# Altium PCB pcb-ash-power.PcbDoc (part 2 of 6)
Units mm, origin at the board's own origin, x right, y up, seen from the top; angles counter-clockwise.
Board outline 140 x 87 mm, 4 copper layers (Top Layer, VCC, GND, Bottom Layer), stack 1.641 mm thick; 589 components, 453 nets, 2323 pads, 1205 vias.
Unrouted connection lines stored in the file: 345.
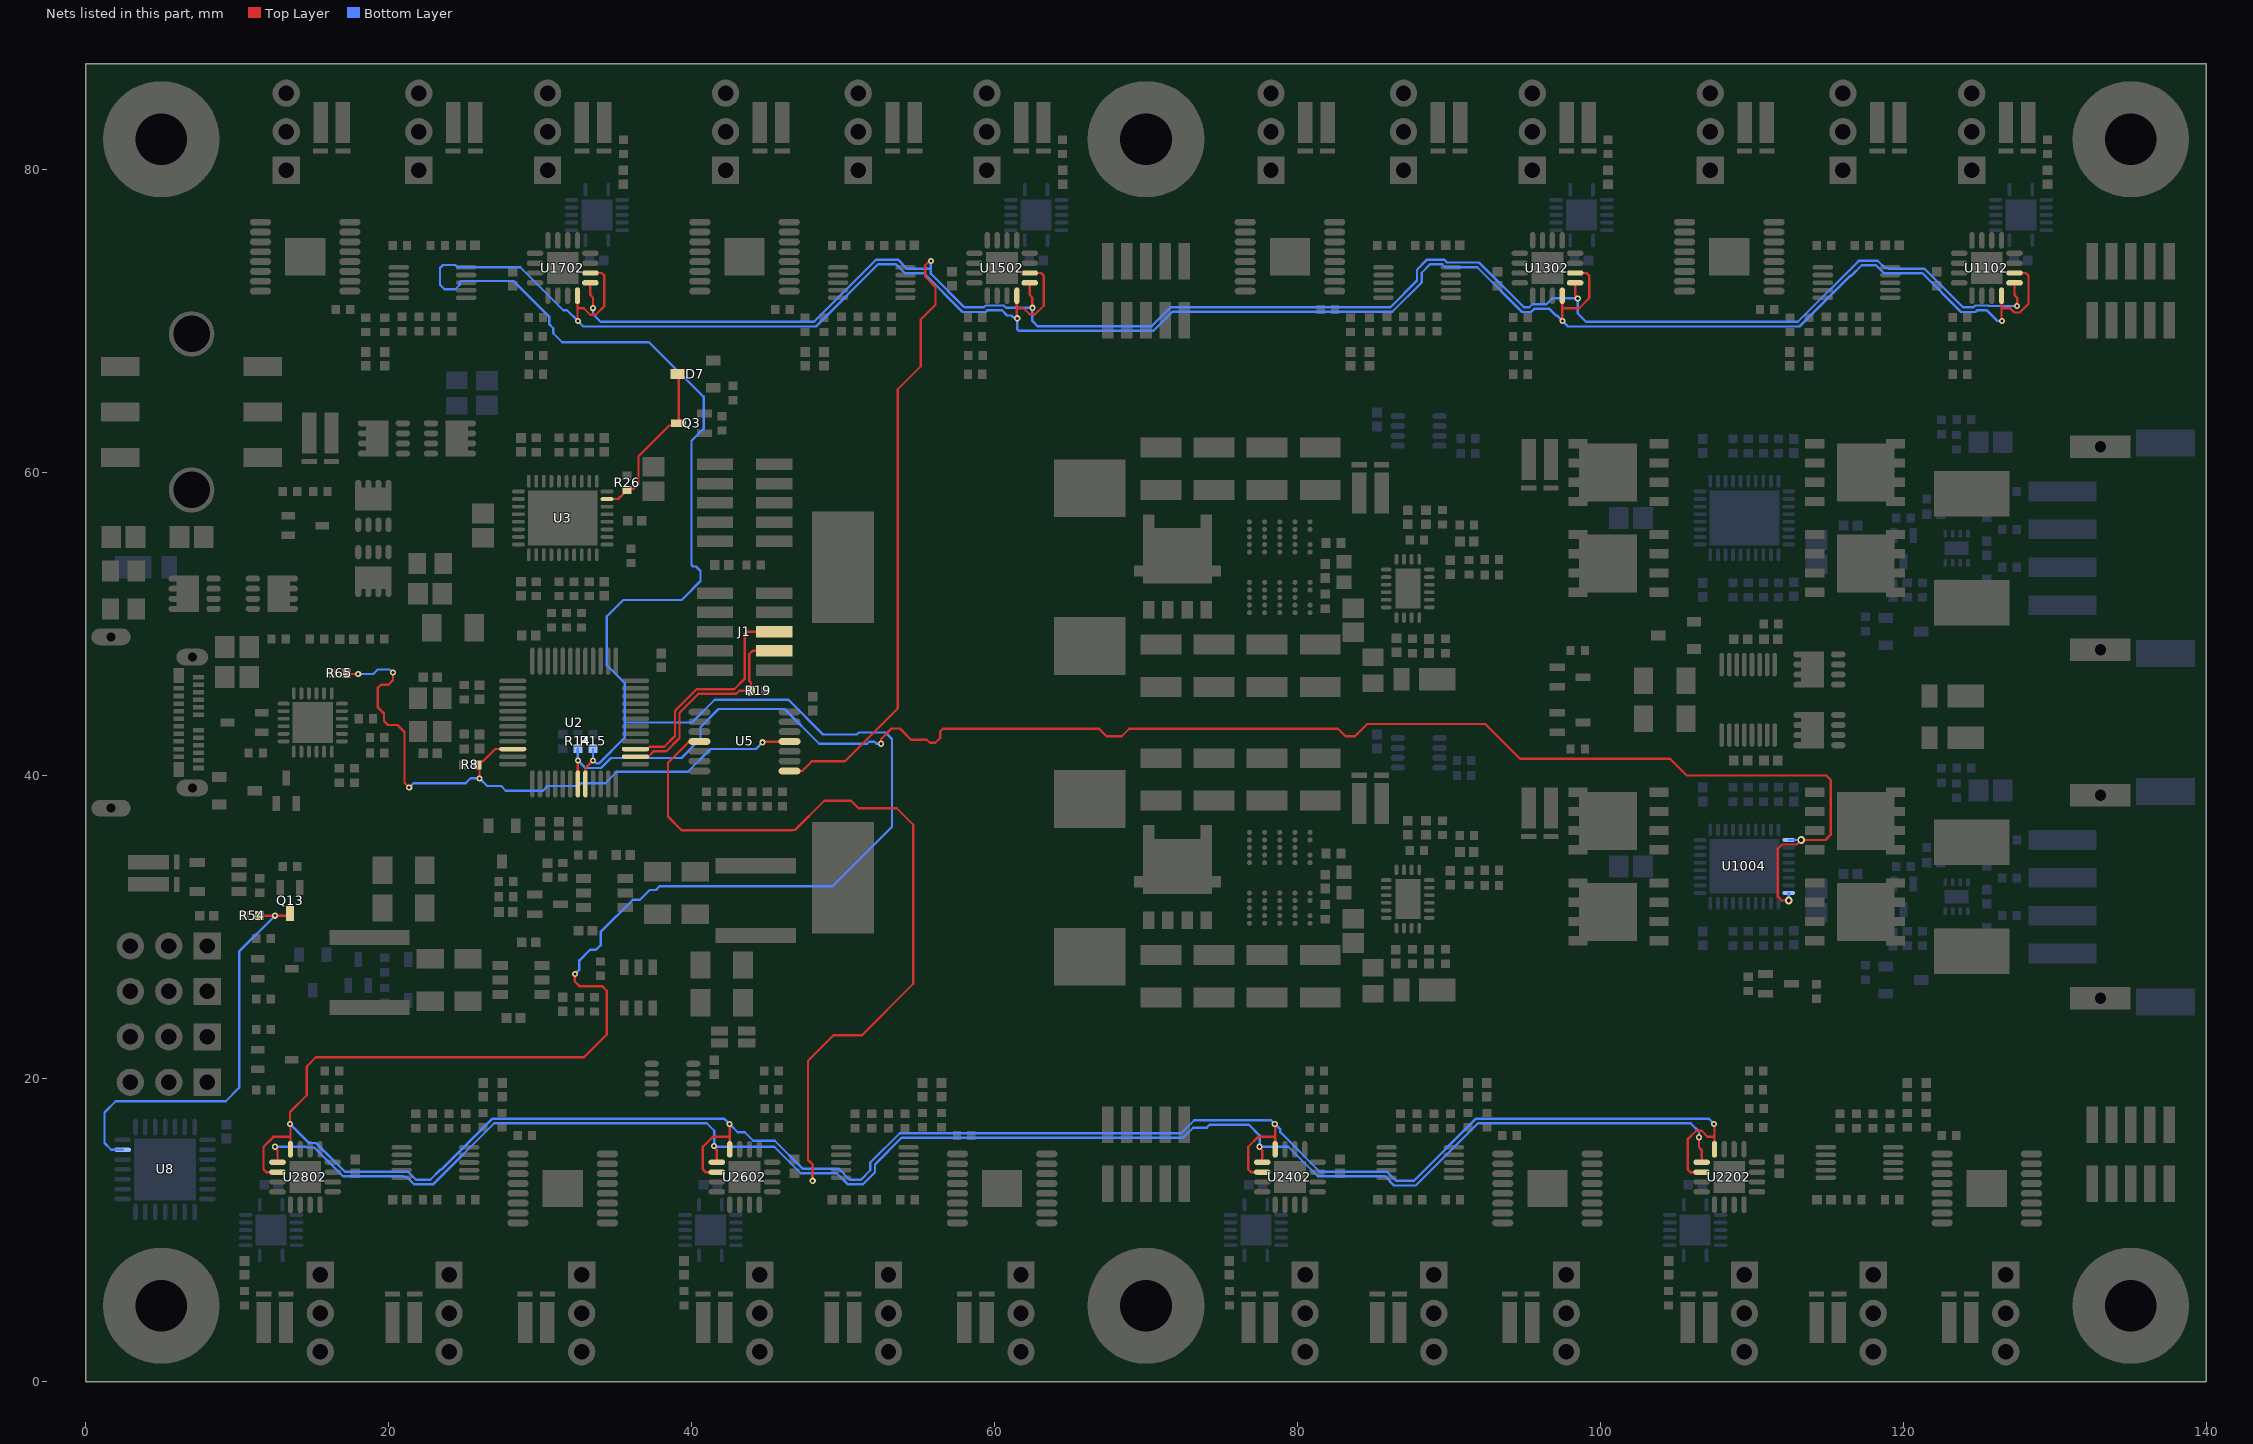
[diagram p4: the nets of this part, all layers, seen from the top]

## Components (designator, comment, footprint, x,y, rotation, side; value= is the part's Value field where it differs from the comment) (continued)
R1709 "res_4t" 4T_RESC1632X05N 25,82.75 r180 top value=0R01 (schematic designator R71)
R1710 "res" RESC1005X04N 29.725,66.49 r180 top value=100K (schematic designator R72)
R1711 "res_4t" 4T_RESC1632X05N 16.25,82.75 r180 top value=0R01 (schematic designator R73)
R2000 "res" RESC1005X04N 91.25,62.25 r0 bottom value=0R (schematic designator R10)
R2001 "res" RESC1005X04N 91.25,61.25 r180 bottom value=100K (schematic designator R11)
R2018 "res_4t" 4T_RESC1632X05N 84.815,59 r0 top value=0R01 (schematic designator R108)
R2019 "res" RESC2012X06N 84.98,46.95 r270 top value=10R (schematic designator R109)
R2020 "res" RESC1005X04N 87.58,48.55 r270 top value=0R (schematic designator R110)
R2021 "res" RESC1005X04N 87.88,55.55 r180 top value=10K (schematic designator R111)
R2022 "res" RESC1005X04N 89.78,48.55 r90 top value=10K (schematic designator R112)
R2023 "res" RESC1005X04N 91.18,56.55 r0 top value=10K (schematic designator R113)
R2024 "res" RESC1005X04N 92.83,54.25 r0 top value=1K2 (schematic designator R114)
R2025 "res" RESC1005X04N 91.33,53.75 r90 top value=12K (schematic designator R115)
R2026 "res" RESC1005X04N 92.83,53.25 r0 top value=0R (schematic designator R116)
R2027 "res" RESC1005X04N 89.58,57.05 r270 top value=10K (schematic designator R117)
R2028 "res_4t" 4T_RESC1632X05N 96,60.5 r180 top value=1m5 (schematic designator R39)
R2029 "res" RESC1005X04N 122,58.25 r180 bottom value=100R (schematic designator R40)
R2030 "res" RESC1005X04N 123.5,62 r270 bottom value=1R21 (schematic designator R41)
R2031 "res" RESC1005X04N 108.75,61.75 r90 bottom value=920K (schematic designator R42)
R2032 "res" RESC1005X04N 109.75,61.75 r90 bottom value=5K49 (schematic designator R43)
R2033 "res" RESC1005X04N 127,58.75 r180 bottom value=1K (schematic designator R44)
R2034 "res" RESC1005X04N 110.75,61.75 r270 bottom value=31K6 (schematic designator R45)
R2035 "res" RESC1005X04N 127,56.25 r180 bottom value=1K (schematic designator R46)
R2036 "res" RESC1005X04N 121.25,52.25 r90 bottom value=0R (schematic designator R47)
R2037 "res" RESC1005X04N 111.75,61.75 r270 bottom value=39K7 (schematic designator R48)
R2038 "res" RESC1005X04N 127,53.75 r180 bottom value=1K (schematic designator R49)
R2039 "res" RESC1005X04N 120.25,52.25 r270 bottom value=100K (schematic designator R50)
R2040 "res" RESC1005X04N 120,57 r180 bottom value=1M (schematic designator R51)
R2041 "res" RESC1005X04N 119.3,52.2 r90 bottom value=1M (schematic designator R52)
R2042 "res" RESC1005X04N 125.5,50.75 r270 bottom value=10R (schematic designator R53)
R2045 "res" RESC1005X04N 108.75,52.25 r270 bottom value=920K (schematic designator R56)
R2046 "res" RESC1005X04N 109.75,52.25 r270 bottom value=5K49 (schematic designator R57)
R2047 "res" RESC1005X04N 117.5,50 r270 bottom value=10K (schematic designator R58)
R2048 "res" RESC1005X04N 110.75,52.25 r90 bottom value=31K6 (schematic designator R59)
R2050 "res" RESC1005X04N 111.75,52.25 r90 bottom value=39K7 (schematic designator R61)
R2200 "res" RESC1005X04N 104.5,5.5 r90 top value=10K (schematic designator R62)
R2201 "res" RESC1005X04N 119.25,12 r0 top value=10K (schematic designator R63)
R2202 "res" RESC1005X04N 123,16.25 r0 top value=10K (schematic designator R64)
R2203 "res" RESC1005X04N 116.75,12 r0 top value=10K (schematic designator R65)
R2204 "res" RESC1005X04N 121.5,17.25 r270 top value=10K (schematic designator R66)
R2205 "res" RESC1005X04N 120.25,17.25 r270 top value=10K (schematic designator R67)
R2206 "res" RESC1005X04N 119.1,17.2 r270 top value=100K (schematic designator R68)
R2207 "res" RESC1005X04N 115.8,17.2 r270 top value=100K (schematic designator R69)
R2208 "res_4t" 4T_RESC1632X05N 106.5,4.25 r0 top value=0R01 (schematic designator R70)
R2209 "res_4t" 4T_RESC1632X05N 115,4.25 r0 top value=0R01 (schematic designator R71)
R2210 "res" RESC1005X04N 110.275,20.51 r0 top value=100K (schematic designator R72)
R2211 "res_4t" 4T_RESC1632X05N 123.75,4.25 r0 top value=0R01 (schematic designator R73)
R2400 "res" RESC1005X04N 75.5,5.5 r90 top value=10K (schematic designator R62)
R2401 "res" RESC1005X04N 90.25,12 r0 top value=10K (schematic designator R63)
R2402 "res" RESC1005X04N 94,16.25 r0 top value=10K (schematic designator R64)
R2403 "res" RESC1005X04N 87.75,12 r0 top value=10K (schematic designator R65)
R2404 "res" RESC1005X04N 92.5,17.25 r270 top value=10K (schematic designator R66)
R2405 "res" RESC1005X04N 91.25,17.25 r270 top value=10K (schematic designator R67)
R2406 "res" RESC1005X04N 90.1,17.2 r270 top value=100K (schematic designator R68)
R2407 "res" RESC1005X04N 86.8,17.2 r270 top value=100K (schematic designator R69)
R2408 "res_4t" 4T_RESC1632X05N 77.5,4.25 r0 top value=0R01 (schematic designator R70)
R2409 "res_4t" 4T_RESC1632X05N 86,4.25 r0 top value=0R01 (schematic designator R71)
R2410 "res" RESC1005X04N 81.275,20.51 r0 top value=100K (schematic designator R72)
R2411 "res_4t" 4T_RESC1632X05N 94.75,4.25 r0 top value=0R01 (schematic designator R73)
R2600 "res" RESC1005X04N 39.5,5.5 r90 top value=10K (schematic designator R62)
R2601 "res" RESC1005X04N 54.25,12 r0 top value=10K (schematic designator R63)
R2602 "res" RESC1005X04N 58,16.25 r0 top value=10K (schematic designator R64)
R2603 "res" RESC1005X04N 51.75,12 r0 top value=10K (schematic designator R65)
R2604 "res" RESC1005X04N 56.5,17.25 r270 top value=10K (schematic designator R66)
R2605 "res" RESC1005X04N 55.25,17.25 r270 top value=10K (schematic designator R67)
R2606 "res" RESC1005X04N 54.1,17.2 r270 top value=100K (schematic designator R68)
R2607 "res" RESC1005X04N 50.8,17.2 r270 top value=100K (schematic designator R69)
R2608 "res_4t" 4T_RESC1632X05N 41.5,4.25 r0 top value=0R01 (schematic designator R70)
R2609 "res_4t" 4T_RESC1632X05N 50,4.25 r0 top value=0R01 (schematic designator R71)
R2610 "res" RESC1005X04N 45.275,20.51 r0 top value=100K (schematic designator R72)
R2611 "res_4t" 4T_RESC1632X05N 58.75,4.25 r0 top value=0R01 (schematic designator R73)
R2800 "res" RESC1005X04N 10.5,5.5 r90 top value=10K (schematic designator R62)
R2801 "res" RESC1005X04N 25.25,12 r0 top value=10K (schematic designator R63)
R2802 "res" RESC1005X04N 29,16.25 r0 top value=10K (schematic designator R64)
R2803 "res" RESC1005X04N 22.75,12 r0 top value=10K (schematic designator R65)
R2804 "res" RESC1005X04N 27.5,17.25 r270 top value=10K (schematic designator R66)
R2805 "res" RESC1005X04N 26.25,17.25 r270 top value=10K (schematic designator R67)
R2806 "res" RESC1005X04N 25.1,17.2 r270 top value=100K (schematic designator R68)
R2807 "res" RESC1005X04N 21.8,17.2 r270 top value=100K (schematic designator R69)
R2808 "res_4t" 4T_RESC1632X05N 12.5,4.25 r0 top value=0R01 (schematic designator R70)
R2809 "res_4t" 4T_RESC1632X05N 21,4.25 r0 top value=0R01 (schematic designator R71)
R2810 "res" RESC1005X04N 16.275,20.51 r180 top value=100K (schematic designator R72)
R2811 "res_4t" 4T_RESC1632X05N 29.75,4.25 r0 top value=0R01 (schematic designator R73)
U1 "tps56120x" SOT95P280X110-6N 34.25,32.25 r180 top
U2 "STM32F103C8T6" STM-LQFP48_N 32.25,43.5 r0 top (schematic designator U3)
U3 "ltc4421xuhe" QFN50P500X600X80_HS-37N_LTC4421 31.5,57 r90 top (schematic designator U10)
U4 "LTC4370xMS" TSSOP50P510X110-16N_ltc4421 109.75,45 r270 top (schematic designator U11)
U5 "tca9543a" TSOP65P640X120-14N_PCA9543A 43.5,42.25 r0 top (schematic designator U9)
U6 "INA180A1" SOT95P280X145-5N 8.75,33.3 r180 top (schematic designator U15)
U7 "tps56120x" SOT95P280X110-6N 28.75,26.5 r0 top (schematic designator U16)
U8 "pca9685bs" QFN65P600X600X100_HS-29N_PCA9685BS 5.25,14 r180 bottom (schematic designator U17)
U9 "STUSB4500" QFN50P400X400X100_HS-25N-STUSB4500 15,43.5 r0 top (schematic designator U12)
U10 "ina219aidcnx" TSOP65P280X145-8N 38.75,20 r180 top (schematic designator U13)
U1000 "ina219aidcnx" TSOP65P280X145-8N 88,41.5 r0 bottom (schematic designator U2)
U1002 "ltc7800" QFN50P300X400X80_HS-21N_LTC7800 87.28,31.85 r180 top (schematic designator U14)
U1003 "bq2961xx" SON50P200X80_HS-9N-BQ2960XX#1 123.5,32 r270 bottom (schematic designator U4)
U1004 "ltc4421xuhe" QFN50P500X600X80_HS-37N_LTC4421 109.5,34 r270 bottom (schematic designator U5)
U1100 "TPS1HB08A-Q1" TSOP65P640X120_HS-17N_TPS1HB08 108.5,74.25 r180 top (schematic designator U6)
U1101 "pca9633dp2" TSSOP50P490X110-10N_PCA9633DP2 116.9,72.54 r0 top (schematic designator U7)
U1102 "ina3221" QFN65P400X400X100_HS-17N_INA3221 125.5,73.5 r0 top (schematic designator U8)
U1103 "74LV4T125A" QFN50P350X350X100_HS-15N 127.75,77 r0 bottom (schematic designator U18)
U1300 "TPS1HB08A-Q1" TSOP65P640X120_HS-17N_TPS1HB08 79.5,74.25 r180 top (schematic designator U6)
U1301 "pca9633dp2" TSSOP50P490X110-10N_PCA9633DP2 87.9,72.54 r0 top (schematic designator U7)
U1302 "ina3221" QFN65P400X400X100_HS-17N_INA3221 96.5,73.5 r0 top (schematic designator U8)
U1303 "74LV4T125A" QFN50P350X350X100_HS-15N 98.75,77 r0 bottom (schematic designator U18)
U1500 "TPS1HB08A-Q1" TSOP65P640X120_HS-17N_TPS1HB08 43.5,74.25 r180 top (schematic designator U6)
U1501 "pca9633dp2" TSSOP50P490X110-10N_PCA9633DP2 51.9,72.54 r0 top (schematic designator U7)
U1502 "ina3221" QFN65P400X400X100_HS-17N_INA3221 60.5,73.5 r0 top (schematic designator U8)
U1503 "74LV4T125A" QFN50P350X350X100_HS-15N 62.75,77 r0 bottom (schematic designator U18)
U1700 "TPS1HB08A-Q1" TSOP65P640X120_HS-17N_TPS1HB08 14.5,74.25 r180 top (schematic designator U6)
U1701 "pca9633dp2" TSSOP50P490X110-10N_PCA9633DP2 22.9,72.54 r0 top (schematic designator U7)
U1702 "ina3221" QFN65P400X400X100_HS-17N_INA3221 31.5,73.5 r0 top (schematic designator U8)
U1703 "74LV4T125A" QFN50P350X350X100_HS-15N 33.75,77 r0 bottom (schematic designator U18)
U2000 "ina219aidcnx" TSOP65P280X145-8N 88,62.75 r0 bottom (schematic designator U2)
U2002 "ltc7800" QFN50P300X400X80_HS-21N_LTC7800 87.28,52.35 r180 top (schematic designator U14)
U2003 "bq2961xx" SON50P200X80_HS-9N-BQ2960XX#2 123.5,55 r270 bottom (schematic designator U4)
U2004 "ltc4421xuhe" QFN50P500X600X80_HS-37N_LTC4421 109.5,57 r270 bottom (schematic designator U5)
U2200 "TPS1HB08A-Q1" TSOP65P640X120_HS-17N_TPS1HB08 125.5,12.75 r0 top (schematic designator U6)
U2201 "pca9633dp2" TSSOP50P490X110-10N_PCA9633DP2 117.1,14.46 r180 top (schematic designator U7)
U2202 "ina3221" QFN65P400X400X100_HS-17N_INA3221 108.5,13.5 r180 top (schematic designator U8)
U2203 "74LV4T125A" QFN50P350X350X100_HS-15N 106.25,10 r180 bottom (schematic designator U18)
U2400 "TPS1HB08A-Q1" TSOP65P640X120_HS-17N_TPS1HB08 96.5,12.75 r0 top (schematic designator U6)
U2401 "pca9633dp2" TSSOP50P490X110-10N_PCA9633DP2 88.1,14.46 r180 top (schematic designator U7)
U2402 "ina3221" QFN65P400X400X100_HS-17N_INA3221 79.5,13.5 r180 top (schematic designator U8)
U2403 "74LV4T125A" QFN50P350X350X100_HS-15N 77.25,10 r180 bottom (schematic designator U18)
U2600 "TPS1HB08A-Q1" TSOP65P640X120_HS-17N_TPS1HB08 60.5,12.75 r0 top (schematic designator U6)
U2601 "pca9633dp2" TSSOP50P490X110-10N_PCA9633DP2 52.1,14.46 r180 top (schematic designator U7)
U2602 "ina3221" QFN65P400X400X100_HS-17N_INA3221 43.5,13.5 r180 top (schematic designator U8)
U2603 "74LV4T125A" QFN50P350X350X100_HS-15N 41.25,10 r180 bottom (schematic designator U18)
U2800 "TPS1HB08A-Q1" TSOP65P640X120_HS-17N_TPS1HB08 31.5,12.75 r0 top (schematic designator U6)
U2801 "pca9633dp2" TSSOP50P490X110-10N_PCA9633DP2 23.1,14.46 r180 top (schematic designator U7)
U2802 "ina3221" QFN65P400X400X100_HS-17N_INA3221 14.5,13.5 r180 top (schematic designator U8)
U2803 "74LV4T125A" QFN50P350X350X100_HS-15N 12.25,10 r180 bottom (schematic designator U18)
X1 "FA-238" DFN220P320X70-4N 22.75,44 r270 top

## Footprints (in the part's own frame and the unit in brackets; to place one, negate y for a bottom-side part, rotate by r counter-clockwise, add the part's x,y. Pads: shape width x height; smd on the part's side, far side on the other; paste and mask are expansions set on the pad)
4T_RESC1632X05N [mm] "Chip Resistor, 4-Leads, Body 1,60x3,20mm, IPC Medium Density"
  rect 0.95x2.7 smd: 1(-0.735,-0.35) 2(0.735,-0.35)
  rect 1x0.35 smd: 3(-0.735,1.524) 4(0.735,1.525)
  body extent -0.9,-1.7 0.9,1.7, height 0.5
430450617 [mm]
  rect 1.27x2.54 smd: 1(3,-4.7) 2(0,-4.7) 3(-3,-4.7) 4(3,4.7) 5(0,4.7) 6(-3,4.7)
  round 3 hole 2.41: TAB(-5.15,0) TAB(5.15,0)
  silkscreen extent -6.57,-5.5 6.58,3.5, body extent -6.57,-5.61 6.58,5.59, height 9.95
1054550101 [mm]
  rect 0.3x0.7 smd: A1(-3,0.41) A2(-2.5,0.41) A3(-2,0.41) A4(-1.5,0.41) A5(-1,0.41) A6(-0.5,0.41) A7(0.5,0.41) A8(1,0.41) A9(1.5,0.41) A10(2,0.41) A11(2.5,0.41) A12(3,0.41) B2(2.25,-0.89) B3(1.75,-0.89) B4(1.25,-0.89) B5(0.75,-0.89) B6(0.25,-0.89) B7(-0.25,-0.89) B8(-0.75,-0.89) B9(-1.25,-0.89) B10(-1.75,-0.89) B11(-2.25,-0.89)
  rect 1x0.7 smd: B1(3.1,-0.89) B12(-3.1,-0.89)
  rrect100% 1.1x2.6 hole 0.6 slot 2.1 at 90 deg: SHD(-5.65,-5.36) SHD(5.65,-5.36)
  rrect100% 1.1x2.1 hole 0.6 slot 1.6 at 90 deg: SHD(-4.32,0) SHD(4.32,0)
  Top Layer pour cut-out: 4.65,-1.45
  Keep-Out Layer board cut-out: 4.65,-1.45 4.65,-7.1 -4.65,-7.1 -4.65,-1.45
  silkscreen extent -4.9,-6 4.9,0.5, body extent -5.8,-7.4 5.8,0.5, height 2.22
CAPC1005X06N [mm] "Chip Capacitor, 2-Leads, Body 1.00x0.50mm, IPC Medium Density"
  rect 0.64x0.64 smd: 1(-0.46,0) 2(0.46,0)
  body extent -0.55,-0.3 0.55,0.3, height 0.6
CAPC1608X08N [mm] "Chip Capacitor, 2-Leads, Body 1.60x0.80mm, IPC Medium Density"
  rect 0.9x1 smd: 1(-0.675,0) 2(0.675,0)
  body extent -0.87,-0.48 0.87,0.48, height 0.85
CAPC2012X11N [mm] "Chip Capacitor, 2-Leads, Body 2.00x1.25mm, IPC Medium Density"
  rect 1.3x1.45 smd: 1(-0.8,0) 2(0.8,0)
  body extent -1.1,-0.72 1.1,0.72, height 1.1
CAPC3216X14N [mm] "Chip Capacitor, 2-Leads, Body 3.20x1.60mm, IPC Medium Density"
  rect 1.3x1.8 smd: 1(-1.4,0) 2(1.4,0)
  silkscreen extent -0.35,-0.8 0.35,0.8, body extent -1.7,-0.9 1.7,0.9, height 1.35
CAPC3225X14N [mm] "Chip Capacitor, 2-Leads, Body 3.20x2.50mm, IPC Medium Density"
  rect 1.3x2.7 smd: 1(-1.4,0) 2(1.4,0)
  silkscreen extent -0.35,-1.25 0.35,1.25, body extent -1.7,-1.35 1.7,1.35, height 1.35
CAPCP1005X06N [mm] "Chip Capacitor, 2-Leads, Body 1.00x0.50mm, IPC Medium Density"
  rect 0.64x0.64 smd: 1(-0.46,0) 2(0.46,0)
  silkscreen extent -1.04,0.48 -0.94,0.58, body extent -0.5,-0.25 0.5,0.25, height 0.5
DFN220P320X70-4N [mm] "DFN, 4-Leads, Body 2.50x3.20mm, Pitch 2.20mm, IPC Medium Density"
  rect 1.4x1.2 smd: 1(-1.1,-0.8) 2(1.1,0.8) SHIELD(-1.1,0.8) SHIELD(1.1,-0.8)
  silkscreen extent -1.7,1.65 -1.6,1.75, body extent -1.7,-1.35 1.7,1.35, height 0.7
epc2030_die [mm]
  round 0.33 smd: D(-1,1) D(-1,-0.5) D(-1,0) D(-1,0.5) D(-1,-1) D(1,1) D(1,-0.5) D(1,0) D(1,0.5) D(1,-1) G(-2,0.5) G(-2,1) S(-2,-1) S(-2,-0.5) S(0,1) S(0,0.5) S(0,0) S(0,-0.5) S(0,-1) S(2,-1) S(2,-0.5) S(2,0) S(2,0.5) S(2,1)
  silkscreen extent -2.8,-1.4 2.4,1.8, body extent -2.3,-1.3 2.3,1.3, height 0.76
hdr_2x5_50mil [mm] "2x5 Pin header, 50mil pitch"
  rect 0.76x2.4 smd: 1(-2.54,-1.95) 2(-2.54,1.95) 2(-2.54,1.95) 3(-1.27,-1.95) 4(-1.27,1.95) 5(0,-1.95) 6(0,1.95) 7(1.27,-1.95) 8(1.27,1.95) 9(2.54,-1.95) 10(2.54,1.95)
  silkscreen extent -3.5,-3 3.25,1.25, body extent -3.17,-2.75 3.18,2.75, height 4.5
HEADER_1x3_100MIL [mm]
  rect 1.8x1.8 hole 1.016: 1(0,0)
  round 1.8 hole 1.016: 2(2.54,0) 3(5.08,0)
  silkscreen extent -2.54,-1.27 6.35,1.27, body extent -1.4,-1.27 6.35,1.27, height 8.38
INDC1005X06N [mm] "Chip Inductor, 2-Leads, Body 1.00x0.50mm, IPC Medium Density"
  rect 0.58x0.64 smd: 1(-0.49,0) 2(0.49,0)
  body extent -0.55,-0.3 0.55,0.3, height 0.6
mount_m3_normal [mm]
  round 7.7 hole 3.4: 1(0,0)
PQFN67P300X300X100-8N [mm] "PQFN, 8-Leads, Body 3.00x3.00mm, Pitch 0.67mm, IPC Medium Density"
  oval 0.95x0.4 smd: 1(-1.25,0.999) 2(-1.25,0.333) 3(-1.25,-0.333) 4(-1.25,-0.999) 5(1.25,-0.999) 6(1.25,-0.333) 7(1.25,0.333) 8(1.25,0.999)
  rect 1.5x2.4 smd: 9(0.45,0)
  silkscreen extent -2.15,1.9 -1.9,2.15, body extent -1.58,-1.58 1.58,1.58, height 1
QFN50P300X400X80_HS-21N_LTC7800 [mm] "QFN, 20-Leads, Body 3.00x4.00mm, Pitch 0.50mm, Thermal Pad 1.65x2.65mm, IPC Medium Density"
  oval 0.7x0.25 smd: 1(-1.425,1.25) 2(-1.425,0.75) 3(-1.425,0.25) 4(-1.425,-0.25) 5(-1.425,-0.75) 6(-1.425,-1.25) 11(1.425,-1.25) 12(1.425,-0.75) 13(1.425,-0.25) 14(1.425,0.25) 15(1.425,0.75) 16(1.425,1.25)
  oval 0.25x0.7 smd: 7(-0.75,-1.925) 8(-0.25,-1.925) 9(0.25,-1.925) 10(0.75,-1.925) 17(0.75,1.925) 18(0.25,1.925) 19(-0.25,1.925) 20(-0.75,1.925)
  rect 1.65x2.65 smd: 21(0,0)
  silkscreen extent -2.48,-2.2 1.7,2.2, body extent -1.55,-2.05 1.55,2.05, height 0.8
QFN50P350X350X100_HS-15N [mm] "QFN, 14-Leads, Body 3.50x3.50mm, Pitch 0.50mm/1.50mm, Thermal Pad 2.05x2.05mm, IPC Medium Density"
  oval 0.25x0.9 smd: 1(-0.75,1.675) 7(-0.75,-1.675) 8(0.75,-1.675) 14(0.75,1.675)
  oval 0.9x0.25 smd: 2(-1.675,1) 3(-1.675,0.5) 4(-1.675,0) 5(-1.675,-0.5) 6(-1.675,-1) 9(1.675,-1) 10(1.675,-0.5) 11(1.675,0) 12(1.675,0.5) 13(1.675,1)
  rect 2.05x2.05 smd: 15(0,0)
  silkscreen extent -2.41,-1.97 1.97,2.41, body extent -1.91,-1.91 1.9,1.91, height 1
QFN50P400X400X100_HS-25N-STUSB4500 [mm] "QFN, 24-Leads, Body 4,00x4,00mm, Pitch 0,50mm, Thermal Pad 2,68x2,68mm, IPC Medium Density"
  oval 0.8x0.25 smd: 1(-1.925,1.25) 2(-1.925,0.75) 3(-1.925,0.25) 4(-1.925,-0.25) 5(-1.925,-0.75) 6(-1.925,-1.25) 13(1.925,-1.25) 14(1.925,-0.75) 15(1.925,-0.25) 16(1.925,0.25) 17(1.925,0.75) 18(1.925,1.25)
  oval 0.25x0.8 smd: 7(-1.25,-1.925) 8(-0.75,-1.925) 9(-0.25,-1.925) 10(0.25,-1.925) 11(0.75,-1.925) 12(1.25,-1.925) 19(1.25,1.925) 20(0.75,1.925) 21(0.25,1.925) 22(-0.25,1.925) 23(-0.75,1.925) 24(-1.25,1.925)
  rect 2.68x2.68 smd: 25(0,0)
  silkscreen extent -2.95,-2.17 2.17,2.17, body extent -2.03,-2.03 2.03,2.03, height 1
QFN50P500X600X80_HS-37N_LTC4421 [mm] "QFN, 36-Leads, Body 5.00x6.00mm, Pitch 0.50mm, Thermal Pad 3.60x4.60mm, IPC Medium Density"
  oval 0.85x0.25 smd: 1(-2.425,2.25) 2(-2.425,1.75) 3(-2.425,1.25) 4(-2.425,0.75) 5(-2.425,0.25) 6(-2.425,-0.25) 7(-2.425,-0.75) 8(-2.425,-1.25) 9(-2.425,-1.75) 10(-2.425,-2.25) 19(2.425,-2.25) 20(2.425,-1.75) 21(2.425,-1.25) 22(2.425,-0.75) 23(2.425,-0.25) 24(2.425,0.25) 25(2.425,0.75) 26(2.425,1.25) 27(2.425,1.75) 28(2.425,2.25)
  oval 0.25x0.85 smd: 11(-1.75,-2.925) 12(-1.25,-2.925) 13(-0.75,-2.925) 14(-0.25,-2.925) 15(0.25,-2.925) 16(0.75,-2.925) 17(1.25,-2.925) 18(1.75,-2.925) 29(1.75,2.925) 30(1.25,2.925) 31(0.75,2.925) 32(0.25,2.925) 33(-0.25,2.925) 34(-0.75,2.925) 35(-1.25,2.925) 36(-1.75,2.925)
  rect 3.6x4.6 smd: 37(0,0)
  silkscreen extent -3.47,-3.2 2.7,3.2, body extent -2.55,-3.05 2.55,3.05, height 0.8